# Altium PCB ConvertionBoard.PcbDoc
Units mm, origin at the board's own origin, x right, y up, seen from the top; angles counter-clockwise.
Board outline 112 x 69.94 mm, 2 copper layers (Top Layer, Bottom Layer); 29 components, 73 nets, 487 pads, 13 vias.
Unrouted connection lines stored in the file: 133.
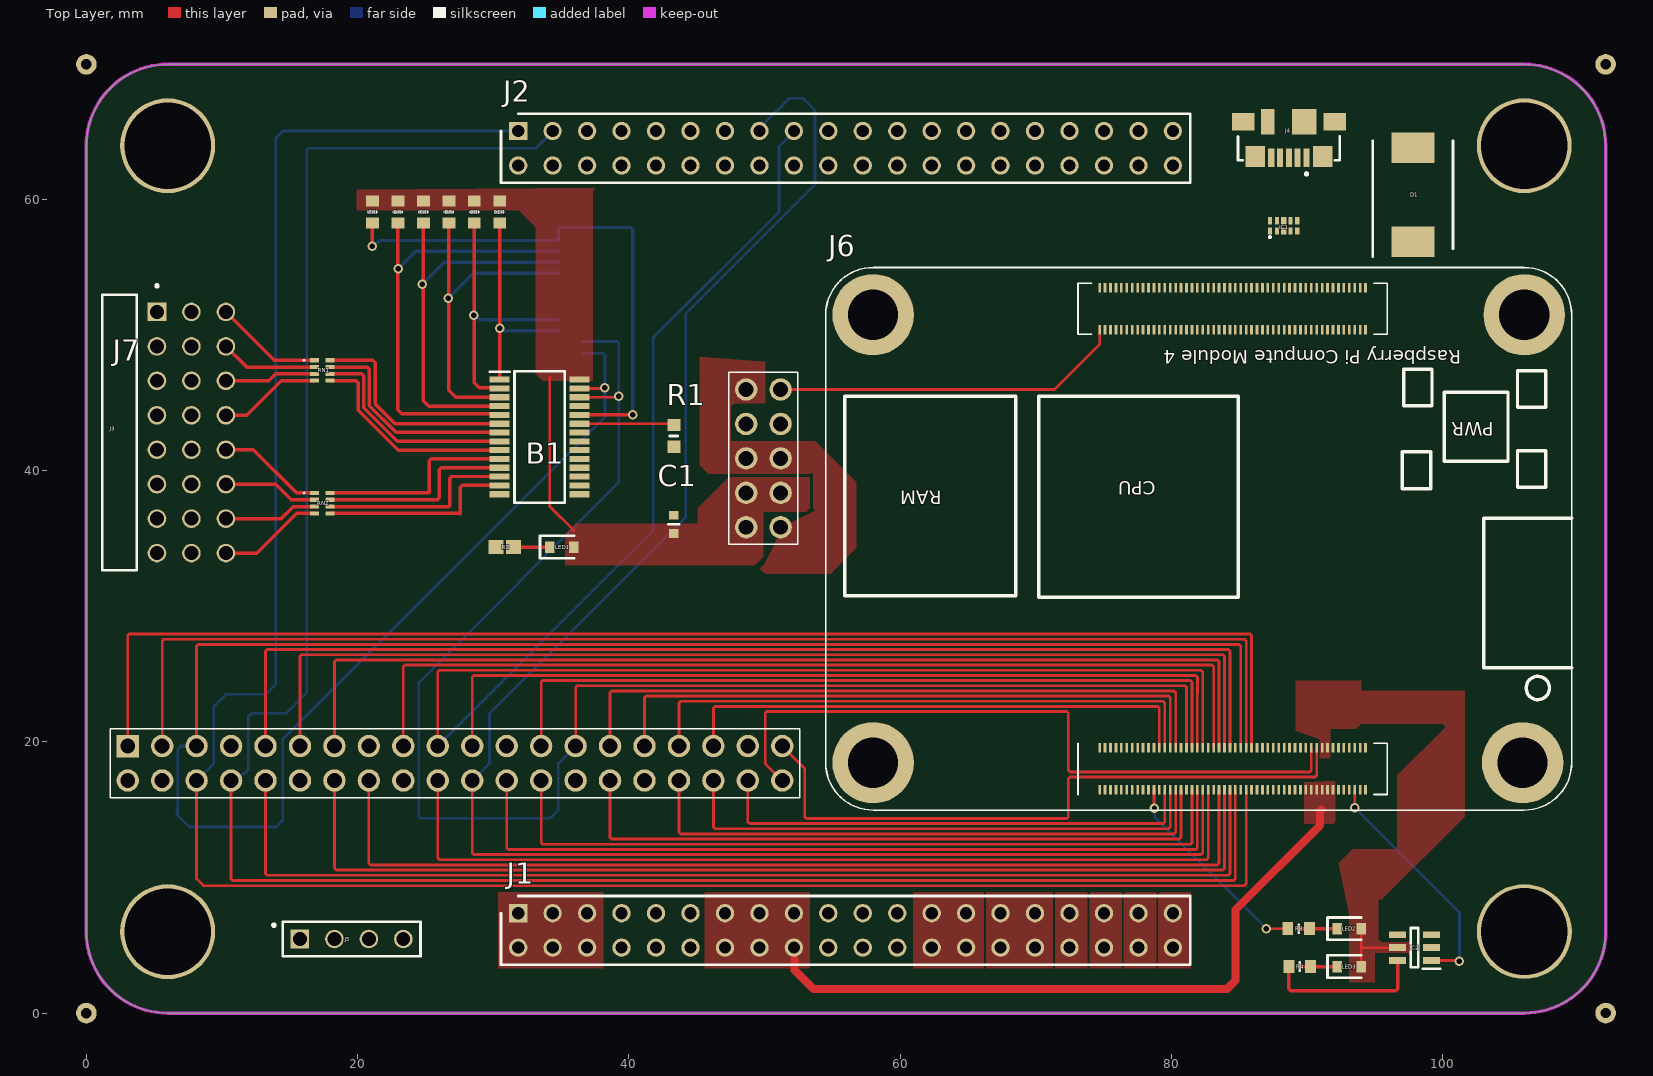
[diagram p0: Top Layer view]
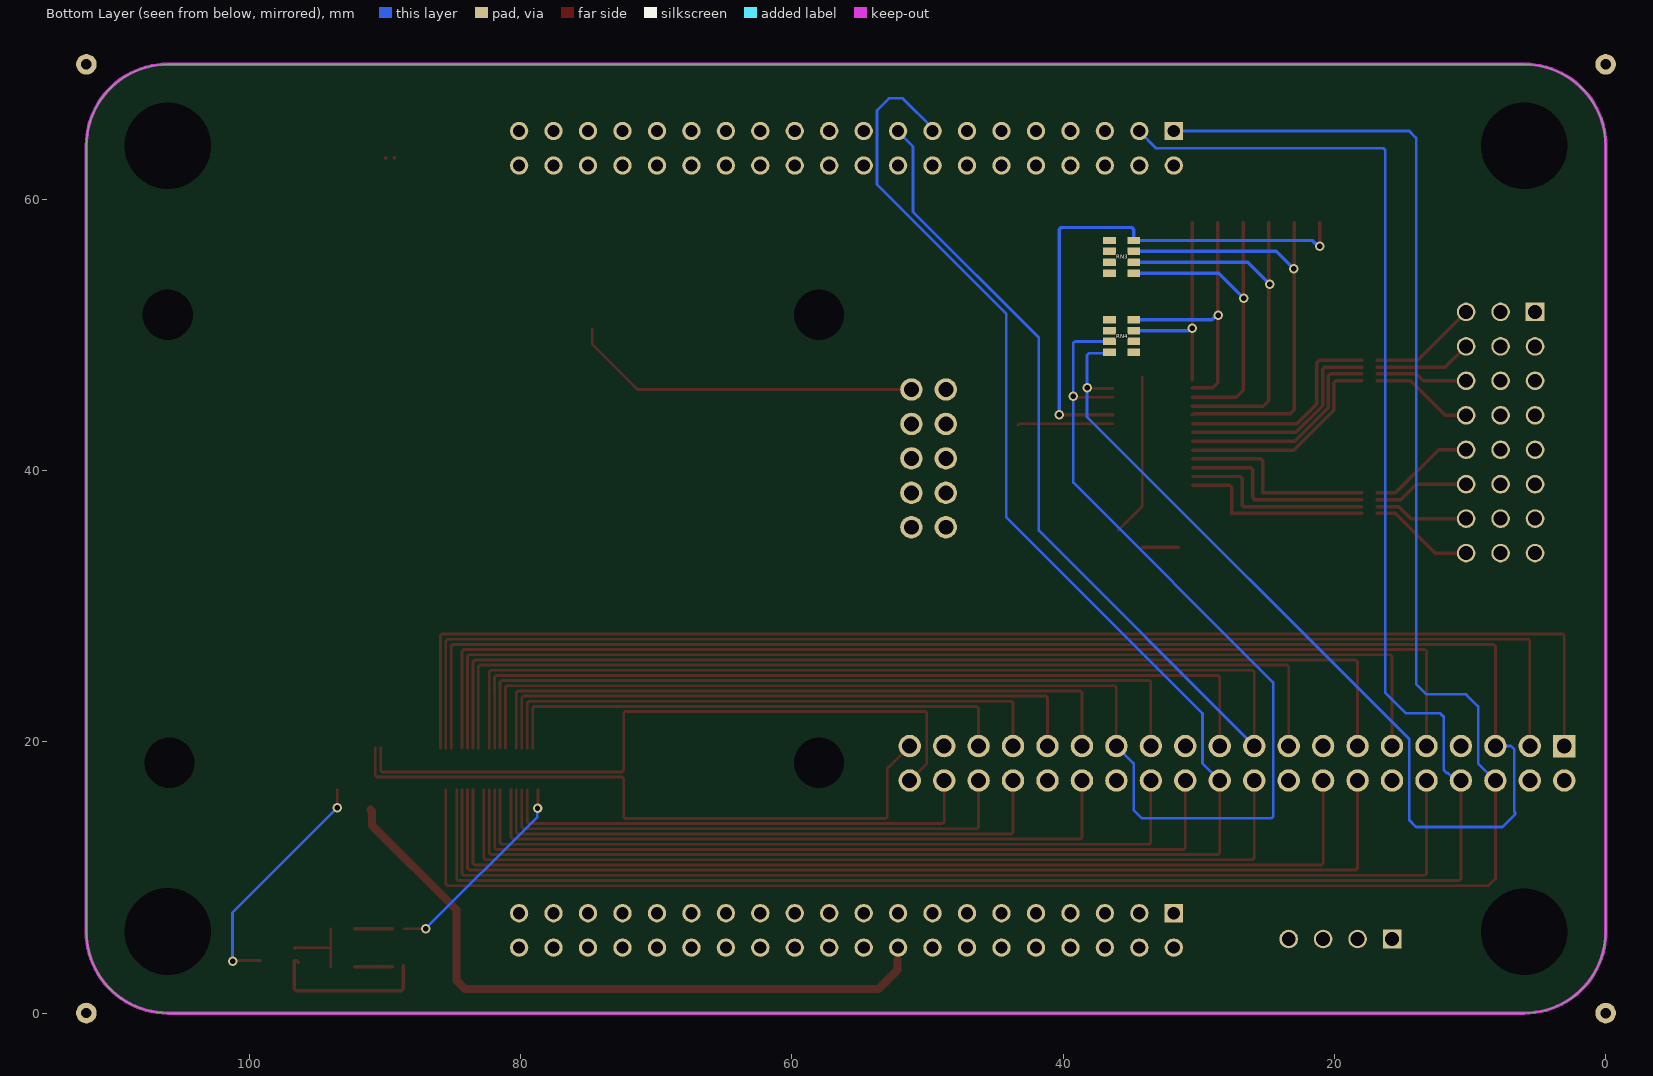
[diagram p1: Bottom Layer view, seen from below]

## Layer stack, top to bottom
Top Solder: solder mask 0.0102, Solder Resist, Dk 3.5
Top Layer: signal copper 0.0356
Dielectric 1: dielectric 0.32, FR-4, Dk 4.8
Bottom Layer: signal copper 0.0356
Bottom Solder: solder mask 0.0102, Solder Resist, Dk 3.5

## Board outline
0,6 0,63.94 cw(c6,63.94) 6,69.94 105.998,69.94 cw(c105.998,63.94) 111.998,63.94 111.998,6.009 112.001,6.006 cw(c106.001,6.006) 106.001,0.006 105.995,0 6,0 cw(c6,6)

## Design rules (kind name [scope] priority, off if disabled: settings)
Clearance Clearance_1 [InNetClass('CM4')] p1: gap=0 ignorepadtopadclearanceinfootprint=FALSE
Clearance [All] p2: gap=0.152 ignorepadtopadclearanceinfootprint=FALSE
PlaneConnect [All] p1: planeconnectstyle=Direct reliefexpansion=0.508 reliefentries=4 reliefconductorwidth=0.254 reliefairgap=0.254
PolygonConnect [All] p1: connectstyle=Direct reliefconductorwidth=0.254 reliefentries=4 polygonreliefangle="90 Angle" airgapwidth=0.254
RoutingVias [All] p1: holewidth=0.711 width=1.27 viastyle="Through Hole" minholewidth=0.711 minwidth=1.27 maxholewidth=0.711 maxwidth=1.27
SolderMaskExpansion [All] p1: expansion=0.102 istentingtop=FALSE
Width GND [InNetClass('GND')] p1: maxlimit=0.2 minlimit=0.2 preferedwidth=0.2
Width CM4 [InNetClass('CM4')] p2: maxlimit=0.2 minlimit=0.2 preferedwidth=0.2 minimp=50.000000 maximp=50.000000 favimp=50.000000
Width [All] p3: maxlimit=0.254 minlimit=0.254 preferedwidth=0.254
29 further rules are at their usual default settings.

## Classes and differential pairs
net class "ALL without GND": +3.3V "+3.3V(from CM4)" +5V +12V A0 A1 A2 A3 A4 A5 EXT1_VCC EXT2_VCC GPIO0 GPIO1 GPIO2 GPIO3 GPIO4 GPIO5 GPIO6 GPIO7 GPIO8 GPIO9 GPIO10 GPIO11 GPIO12 GPIO13 GPIO14 GPIO15 GPIO16 GPIO17 GPIO18 GPIO19 GPIO20 GPIO21 GPIO22 GPIO23 GPIO24 GPIO25 GPIO26 GPIO27 GPIO44 GPIO45 NetB1_23 NetD1_2 NetIC1_2 NetIC1_5 NetIC2_6 NetJ3_01 NetJ3_04 NetJ3_07 NetJ3_10 NetJ3_13 NetJ3_16 NetJ3_19 NetJ3_22 NetLED1_1 NetLED2_1 NetLED3_1 PI_LED_nPWR Pi_nLED_Activity PWM0 PWM1 PWM2 PWM3 PWM4 PWM5 PWM6 PWM7 SRV_8.4V USB_N USB_OTG_ID USB_P
net class CM4: "+3.3V(from CM4)" +5V GPIO0 GPIO1 GPIO2 GPIO3 GPIO4 GPIO5 GPIO6 GPIO7 GPIO8 GPIO9 GPIO10 GPIO11 GPIO12 GPIO13 GPIO14 GPIO15 GPIO16 GPIO17 GPIO18 GPIO19 GPIO20 GPIO21 GPIO22 GPIO23 GPIO24 GPIO25 GPIO26 GPIO27 GPIO44 GPIO45 NetB1_23 PI_LED_nPWR Pi_nLED_Activity USB_N USB_OTG_ID USB_P
net class CM4(down): GPIO1 GPIO7 GPIO8 GPIO12 GPIO14 GPIO15 GPIO16 GPIO18 GPIO20 GPIO21 GPIO23 GPIO24 GPIO25 GPIO45
net class CM4(up): GPIO0 GPIO2 GPIO3 GPIO4 GPIO5 GPIO6 GPIO9 GPIO10 GPIO11 GPIO13 GPIO17 GPIO19 GPIO22 GPIO26 GPIO27 GPIO44

## Components (designator, comment, footprint, x,y, rotation, side; value= is the part's Value field where it differs from the comment)
B1 "PCA9685" PCA9685 33.411,42.473 r0 top
C1 "GRM188R61E106KA73D" GRM18x 43.307,36.028 r90 top value=10u
D1 "MBRS410LT3G" DIOM8059X261N 97.79,60.325 r90 top
IC1 "TPD4EUSB30DQAR" DQA(R-PUSON-N10) 88.265,58.039 r0 top
IC2 "74HC2G34GV,125" SOT95P275X110-6N 97.917,4.826 r180 top
J1 "90151-2140" RHDR40W70P254_2X20_5065X498X870P 31.837,7.366 r0 top locked
J2 "90151-2140" RHDR40W70P254_2X20_5065X498X870P 31.837,65.024 r0 top
J3 "MTSW-109-22-T-T-330-LA" SAMTEC_MTSW-109-22-T-T-330-LA 7.747,42.799 r270 top
J4 "MUYF-051T-4BH81" 473460001 88.646,65.024 r180 top
J5 "Component_1" Component_1 19.558,5.461 r0 top
J6 "Compute Module 4(IO)" CM4-F40C-100DS-0.4v_1.5mm_0mm 82,34.965 r270 top locked
J7 "61301221021" "61301221021 - output" 1.778,15.875 r0 top locked
LED1 "SML-D12Y1WT86" LEDC1608X55N 35.045,34.357 r0 top
LED2 "SML-D12EN1WT86" LEDC1608X55N 93.091,6.223 r0 top
LED3 "SML-D12V8WT86" LEDC1608X55N 93.091,3.429 r0 top
R1 "0603WAJ0103T5E" RESC1608X55N_10K 43.307,42.545 r270 top value=10K
R2 "RC0603FR-07150RL" RESC1608X55N_150 30.854,34.357 r180 top
R3 "SR0603JR-071KL" RESC1608X55N_0 89.37,6.223 r0 top
R4 "SR0603JR-071KL" RESC1608X55N_0 89.446,3.429 r0 top
R5 "RC0603JR-070RL" RESC1608X55N_0 21.082,59.055 r270 top
R6 "RC0603JR-070RL" RESC1608X55N_0 22.962,59.055 r270 top
R7 "RC0603JR-070RL" RESC1608X55N_0 24.841,59.055 r270 top
R8 "RC0603JR-070RL" RESC1608X55N_0 26.721,59.055 r270 top
R9 "RC0603JR-070RL" RESC1608X55N_0 28.6,59.055 r270 top
R10 "RC0603JR-070RL" RESC1608X55N_0 30.48,59.055 r270 top
RN1 "YC124-JR-07220RL" YC124JR07220RL 17.399,47.375 r270 top
RN2 "YC124-JR-07220RL" YC124JR07220RL 17.399,37.592 r270 top
RN3 "CAY16-1002F4LF" CAY-16-F4 35.687,55.753 r180 bottom
RN4 "CAY16-1002F4LF" CAY-16-F4 35.687,49.911 r180 bottom

## Footprints (in the part's own frame and the unit in brackets; to place one, negate y for a bottom-side part, rotate by r counter-clockwise, add the part's x,y. Pads: shape width x height; smd on the part's side, far side on the other; paste and mask are expansions set on the pad)
473460001 [mm]
  rect 0.45x1.38 smd: 1(-1.3,1.975) 2(-0.65,1.975) 3(0,1.975) 4(0.65,1.975) 5(1.3,1.975)
  rect 1.425x1.55 smd: 6(2.487,1.89) 7(-2.487,1.89)
  rect 1.8x1.9 smd: 8(-1.15,-0.685)
  rect 1x1.9 smd: 9(1.55,-0.685)
  rect 1.65x1.3 smd: 10(-3.375,-0.685) 11(3.375,-0.685)
  silkscreen extent -3.75,0.4 3.75,3.26, body extent -3.99,-3.26 3.99,2.17, height 2.72
"61301221021 - output" [mm]
  round 1.65 hole 1.1: 1(49.403,19.942) 2(46.863,19.942) 4(1.273,1.27) 5(3.813,3.81) 6(3.813,1.27) 7(6.353,3.81) 8(6.353,1.27) 9(8.893,3.81) 10(8.893,1.27) 11(11.433,3.81) 12(11.433,1.27) 13(13.97,3.81) 14(13.97,1.27) 15(16.51,3.81) 16(16.51,1.27) 17(19.05,3.81) 18(19.05,1.27) 19(21.59,3.81) 20(21.59,1.27) 21(24.13,3.81) 22(24.13,1.27) 23(26.67,3.81) 24(26.67,1.27) 25(29.21,3.81) 26(29.21,1.27) 27(31.75,3.81) 28(31.75,1.27) 29(34.29,3.81) 30(34.29,1.27) 31(36.83,3.81) 32(36.83,1.27) 33(39.37,3.81) 34(39.37,1.27) 35(41.91,3.81) 36(41.91,1.27) 37(44.447,3.81) 38(44.447,1.27) 39(46.987,3.81) 40(46.987,1.27) 41(49.527,3.81) 42(49.527,1.27) 43(49.403,22.476) 44(46.863,22.476) 45(49.403,25.016) 46(46.863,25.016) 47(49.403,27.556) 48(46.863,27.556) 49(49.403,30.096) 50(46.863,30.096)
  rect 1.65x1.65 hole 1.1: 3(1.273,3.81)
  silkscreen extent 0,0 50.8,31.37, body extent 0,0 50.8,31.37, height 13.46
CAY-16-F4 [mm]
  rect 0.95x0.55 smd: 1(-0.9,-1.2) 2(-0.9,-0.4) 3(-0.9,0.4) 4(-0.9,1.2) 5(0.9,-1.2) 6(0.9,-0.4) 7(0.9,0.4) 8(0.9,1.2)
CM4-F40C-100DS-0.4v_1.5mm_0mm [mm] "DF40C-100DS-0.4v by Amornthep Phunsin"
  round 6 / inner round 0 / far side round 0 hole 3.7 unplated: 1(-16.51,24.003) 1(-16.51,-24.003) 1(16.51,23.876) 1(16.51,-24.003)
  rect 0.7x0.2 smd: 1(18.5,-7.3) 2(15.42,-7.3) 3(18.5,-6.9) 4(15.42,-6.9) 5(18.5,-6.5) 6(15.42,-6.5) 7(18.5,-6.1) 8(15.42,-6.1) 9(18.5,-5.7) 10(15.42,-5.7) 11(18.5,-5.3) 12(15.42,-5.3) 13(18.5,-4.9) 14(15.42,-4.9) 15(18.5,-4.5) 16(15.42,-4.5) 17(18.5,-4.1) 18(15.42,-4.1) 19(18.5,-3.7) 20(15.42,-3.7) 21(18.5,-3.3) 22(15.42,-3.3) 23(18.5,-2.9) 24(15.42,-2.9) 25(18.5,-2.5) 26(15.42,-2.5) 27(18.5,-2.1) 28(15.42,-2.1) 29(18.5,-1.7) 30(15.42,-1.7) 31(18.5,-1.3) 32(15.42,-1.3) 33(18.5,-0.9) 34(15.42,-0.9) 35(18.5,-0.5) 36(15.42,-0.5) 37(18.5,-0.1) 38(15.42,-0.1) 39(18.5,0.3) 40(15.42,0.3) 41(18.5,0.7) 42(15.42,0.7) 43(18.5,1.1) 44(15.42,1.1) 45(18.5,1.5) 46(15.42,1.5) 47(18.5,1.9) 48(15.42,1.9) 49(18.5,2.3) 50(15.42,2.3) 51(18.5,2.7) 52(15.42,2.7) 53(18.5,3.1) 54(15.42,3.1) 55(18.5,3.5) 56(15.42,3.5) 57(18.5,3.9) 58(15.42,3.9) 59(18.5,4.3) 60(15.42,4.3) 61(18.5,4.7) 62(15.42,4.7) 63(18.5,5.1) 64(15.42,5.1) 65(18.5,5.5) 66(15.42,5.5) 67(18.5,5.9) 68(15.42,5.9) 69(18.5,6.3) 70(15.42,6.3) 71(18.5,6.7) 72(15.42,6.7) 73(18.5,7.1) 74(15.42,7.1) 75(18.5,7.5) 76(15.42,7.5) 77(18.5,7.9) 78(15.42,7.9) 79(18.5,8.3) 80(15.42,8.3) 81(18.5,8.7) 82(15.42,8.7) 83(18.5,9.1) 84(15.42,9.1) 85(18.5,9.5) 86(15.42,9.5) 87(18.5,9.9) 88(15.42,9.9) 89(18.5,10.3) 90(15.42,10.3) 91(18.5,10.7) 92(15.42,10.7) 93(18.5,11.1) 94(15.42,11.1) 95(18.5,11.5) 96(15.42,11.5) 97(18.5,11.9) 98(15.42,11.9) 99(18.5,12.3) 100(15.42,12.3) 101(-15.42,-7.3) 102(-18.5,-7.3) 103(-15.42,-6.9) 104(-18.5,-6.9) 105(-15.42,-6.5) 106(-18.5,-6.5) 107(-15.42,-6.1) 108(-18.5,-6.1) 109(-15.42,-5.7) 110(-18.5,-5.7) 111(-15.42,-5.3) 112(-18.5,-5.3) 113(-15.42,-4.9) 114(-18.5,-4.9) 115(-15.42,-4.5) 116(-18.5,-4.5) 117(-15.42,-4.1) 118(-18.5,-4.1) 119(-15.42,-3.7) 120(-18.5,-3.7) 121(-15.42,-3.3) 122(-18.5,-3.3) 123(-15.42,-2.9) 124(-18.5,-2.9) 125(-15.42,-2.5) 126(-18.5,-2.5) 127(-15.42,-2.1) 128(-18.5,-2.1) 129(-15.42,-1.7) 130(-18.5,-1.7) 131(-15.42,-1.3) 132(-18.5,-1.3) 133(-15.42,-0.9) 134(-18.5,-0.9) 135(-15.42,-0.5) 136(-18.5,-0.5) 137(-15.42,-0.1) 138(-18.5,-0.1) 139(-15.42,0.3) 140(-18.5,0.3) 141(-15.42,0.7) 142(-18.5,0.7) 143(-15.42,1.1) 144(-18.5,1.1) 145(-15.42,1.5) 146(-18.5,1.5) 147(-15.42,1.9) 148(-18.5,1.9) 149(-15.42,2.3) 150(-18.5,2.3) 151(-15.42,2.7) 152(-18.5,2.7) 153(-15.42,3.1) 154(-18.5,3.1) 155(-15.42,3.5) 156(-18.5,3.5) 157(-15.42,3.9) 158(-18.5,3.9) 159(-15.42,4.3) 160(-18.5,4.3) 161(-15.42,4.7) 162(-18.5,4.7) 163(-15.42,5.1) 164(-18.5,5.1) 165(-15.42,5.5) 166(-18.5,5.5) 167(-15.42,5.9) 168(-18.5,5.9) 169(-15.42,6.3) 170(-18.5,6.3) 171(-15.42,6.7) 172(-18.5,6.7) 173(-15.42,7.1) 174(-18.5,7.1) 175(-15.42,7.5) 176(-18.5,7.5) 177(-15.42,7.9) 178(-18.5,7.9) 179(-15.42,8.3) 180(-18.5,8.3) 181(-15.42,8.7) 182(-18.5,8.7) 183(-15.42,9.1) 184(-18.5,9.1) 185(-15.42,9.5) 186(-18.5,9.5) 187(-15.42,9.9) 188(-18.5,9.9) 189(-15.42,10.3) 190(-18.5,10.3) 191(-15.42,10.7) 192(-18.5,10.7) 193(-15.42,11.1) 194(-18.5,11.1) 195(-15.42,11.5) 196(-18.5,11.5) 197(-15.42,11.9) 198(-18.5,11.9) 199(-15.42,12.3) 200(-18.5,12.3)
  silkscreen extent -20,-27.5 20,27.5, body extent -20,-27.5 20,27.5, height 5.16
Component_1 [mm]
  rect 1.37x1.37 / inner round 1.37 / far side rect 1.37x1.37 hole 1.02: 1(-3.81,0)
  round 1.37 hole 1.02: 2(-1.27,0) 3(1.27,0) 4(3.81,0)
  silkscreen extent -5.83,-1.27 5.08,1.27, body extent -5.08,-1.27 5.08,1.27, height 10.92
DIOM8059X261N [mm]
  rect 2.25x3.15 smd: 1(-3.45,0) 2(3.45,0)
  silkscreen extent -4.57,-2.95 3.98,2.95, body extent -3.98,-2.95 3.98,2.95, height 2.61
DQA(R-PUSON-N10) [mm]
  rect 0.3x0.55 smd: 1(-1,-0.385) 2(-0.5,-0.385) 4(0.5,-0.385) 5(1,-0.385) 6(1,0.385) 7(0.5,0.385) 9(-0.5,0.385) 10(-1,0.385)
  rect 0.4x0.55 smd: 3(0,-0.385) 8(0,0.385)
  silkscreen extent -1.03,-0.86 -0.99,-0.82, body extent -1.25,-0.5 1.25,0.5, height 0.55
GRM18x [mm]
  rect 0.65x0.7 smd: 1(-0.675,0) 2(0.675,0)
  silkscreen extent 0,-0.4 0,0.4, body extent -0.8,-0.45 0.8,0.45, height 0.8
LEDC1608X55N [mm]
  rect 0.7x0.85 smd: 1(-0.889,0) 2(0.889,0)
  silkscreen extent -1.6,-0.82 0.9,0.82, body extent -0.8,-0.4 0.8,0.4, height 0.55
PCA9685 [mm]
  rect 1.475x0.45 smd: 1(-2.938,4.225) 2(-2.938,3.575) 3(-2.938,2.925) 4(-2.938,2.275) 5(-2.938,1.625) 6(-2.938,0.975) 7(-2.938,0.325) 8(-2.938,-0.325) 9(-2.938,-0.975) 10(-2.938,-1.625) 11(-2.938,-2.275) 12(-2.938,-2.925) 13(-2.938,-3.575) 14(-2.938,-4.225) 15(2.938,-4.225) 16(2.938,-3.575) 17(2.938,-2.925) 18(2.938,-2.275) 19(2.938,-1.625) 20(2.938,-0.975) 21(2.938,-0.325) 22(2.938,0.325) 23(2.938,0.975) 24(2.938,1.625) 25(2.938,2.275) 26(2.938,2.925) 27(2.938,3.575) 28(2.938,4.225)
  silkscreen extent -3.67,-4.85 1.85,4.85
RESC1608X55N_0 [mm]
  rect 0.8x0.95 smd: 1(-0.8,0) 2(0.8,0)
  silkscreen extent 0,-0.3 0,0.3, body extent -0.8,-0.4 0.8,0.4, height 0.55
RESC1608X55N_10K [mm]
  rect 0.9x0.95 smd: 1(-0.8,0) 2(0.8,0)
  silkscreen extent 0,-0.3 0,0.3, body extent -0.8,-0.4 0.8,0.4, height 0.55
RESC1608X55N_150 [mm]
  rect 1.1x1 smd: 1(-0.65,0) 2(0.65,0)
  body extent -0.8,-0.4 0.8,0.4, height 0.55
RHDR40W70P254_2X20_5065X498X870P [mm]
  rect 1.35x1.35 / inner round 1.35 / far side rect 1.35x1.35 hole 0.9: 1(0,0)
  round 1.35 hole 0.9: 2(0,-2.54) 3(2.54,0) 4(2.54,-2.54) 5(5.08,0) 6(5.08,-2.54) 7(7.62,0) 8(7.62,-2.54) 9(10.16,0) 10(10.16,-2.54) 11(12.7,0) 12(12.7,-2.54) 13(15.24,0) 14(15.24,-2.54) 15(17.78,0) 16(17.78,-2.54) 17(20.32,0) 18(20.32,-2.54) 19(22.86,0) 20(22.86,-2.54) 21(25.4,0) 22(25.4,-2.54) 23(27.94,0) 24(27.94,-2.54) 25(30.48,0) 26(30.48,-2.54) 27(33.02,0) 28(33.02,-2.54) 29(35.56,0) 30(35.56,-2.54) 31(38.1,0) 32(38.1,-2.54) 33(40.64,0) 34(40.64,-2.54) 35(43.18,0) 36(43.18,-2.54) 37(45.72,0) 38(45.72,-2.54) 39(48.26,0) 40(48.26,-2.54)
  silkscreen extent -1.27,-3.81 49.53,1.27
SAMTEC_MTSW-109-22-T-T-330-LA [mm]
  round 1.37 hole 1.02: 01(-8.89,2.54) 02(-8.89,0) 04(-6.35,2.54) 05(-6.35,0) 06(-6.35,-2.54) 07(-3.81,2.54) 08(-3.81,0) 09(-3.81,-2.54) 10(-1.27,2.54) 11(-1.27,0) 12(-1.27,-2.54) 13(1.27,2.54) 14(1.27,0) 15(1.27,-2.54) 16(3.81,2.54) 17(3.81,0) 18(3.81,-2.54) 19(6.35,2.54) 20(6.35,0) 21(6.35,-2.54) 22(8.89,2.54) 23(8.89,0) 24(8.89,-2.54)
  rect 1.37x1.37 / inner round 1.37 / far side rect 1.37x1.37 hole 1.02: 03(-8.89,-2.54)
  silkscreen extent -10.91,-6.58 10.16,-2.44, body extent -10.16,-15.05 10.16,2.79, height 1.8
SOT95P275X110-6N [mm]
  rect 1.25x0.5 smd: 1(-1.25,0.95) 2(-1.25,0) 3(-1.25,-0.95) 4(1.25,-0.95) 5(1.25,0) 6(1.25,0.95)
  silkscreen extent -1.88,-1.45 0.28,1.55, body extent -1.38,-1.48 1.37,1.47, height 1.01
YC124JR07220RL [mm]
  rect 0.3x0.65 smd: 1(-0.75,-0.575) 2(-0.25,-0.575) 3(0.25,-0.575) 4(0.75,-0.575) 5(0.75,0.575) 6(0.25,0.575) 7(-0.25,0.575) 8(-0.75,0.575)
  silkscreen extent -0.8,-1.4 -0.7,-1.3, body extent -1,-0.5 1,0.5, height 0.38

## Part data
B1: "PCA9685PW/Q900,118", Manufacturer_Name=NXP, Mouser Part Number=771-PCA9685PWQ900118, Datasheet Link=http://www.nxp.com/docs/en/data-sheet/PCA9685.pdf, Geometry.Height=1.1mm, Manufacturer_Part_Number=PCA9685PW/Q900,118, Mouser Price/Stock=https://www.mouser.co.uk/ProductDetail/NXP-Semiconductors/PCA9685PW-Q900118?qs=MWRe%252BjyhxRtZfKNN86P1Tg%3D%3D
C1: "10% 10uF Capacitor", Manufacturer_Name="Murata Electronics", Mouser Part Number=81-GRM188R61E106KA3D, Arrow Part Number=GRM188R61E106KA73D, Arrow Price/Stock=https://www.arrow.com/en/products/grm188r61e106ka73d/murata-manufacturing?region=nac, Datasheet Link=https://search.murata.co.jp/Ceramy/image/img/A01X/G101/ENG/GRM188R61E106KA73-01A.pdf, Height=0.8mm, Manufacturer_Part_Number=GRM188R61E106KA73D, Mouser Price/Stock=https://www.mouser.co.uk/ProductDetail/Murata-Electronics/GRM188R61E106KA73D?qs=5aG0NVq1C4z8ebxPkQZf9A%3D%3D
D1: "Schottky Diode", Manufacturer_Name=onsemi, Mouser Part Number=863-MBRS410LT3G, Arrow Part Number=MBRS410LT3G, Arrow Price/Stock=https://www.arrow.com/en/products/mbrs410lt3g/on-semiconductor?region=nac, Datasheet Link=https://www.onsemi.com/download/data-sheet/pdf/mbrs410lt3-d.pdf, Height=2.61mm, Manufacturer_Part_Number=MBRS410LT3G, Mouser Price/Stock=https://www.mouser.co.uk/ProductDetail/onsemi/MBRS410LT3G?qs=3JMERSakebpTz7AxvU6YQw%3D%3D
IC1: "Integrated Circuit", Manufacturer_Name="Texas Instruments", Mouser Part Number=595-TPD4EUSB30DQAR, Arrow Part Number=TPD4EUSB30DQAR, Arrow Price/Stock=https://www.arrow.com/en/products/tpd4eusb30dqar/texas-instruments?region=nac, Datasheet Link=http://www.ti.com/lit/gpn/tpd4eusb30, Manufacturer_Part_Number=TPD4EUSB30DQAR, Mouser Price/Stock=https://www.mouser.co.uk/ProductDetail/Texas-Instruments/TPD4EUSB30DQAR?qs=Ze4%2FuFuz19JpY4uqYOLMbQ%3D%3D
IC2: "Integrated Circuit", Manufacturer_Name=Nexperia, Mouser Part Number=771-HC2G34GV125, Arrow Part Number=74HC2G34GV,125, Arrow Price/Stock=https://www.arrow.com/en/products/74hc2g34gv125/nexperia?region=nac, Datasheet Link=https://assets.nexperia.com/documents/data-sheet/74HC_HCT2G34.pdf, Height=1.1mm, Manufacturer_Part_Number=74HC2G34GV,125, Mouser Price/Stock=https://www.mouser.co.uk/ProductDetail/Nexperia/74HC2G34GV125?qs=P62ublwmbi9zqrfuyyEMgg%3D%3D
J1 J2: "Headers", Manufacturer_Name=Molex, Mouser Part Number=538-90151-2140, Datasheet Link=https://componentsearchengine.com/Datasheets/1/90151-2140.pdf, Geometry.Height=8.7mm, Manufacturer_Part_Number=90151-2140, Mouser Price/Stock=https://www.mouser.co.uk/ProductDetail/Molex/90151-2140?qs=WjPO6T6WDwtb8fg%2FDgSCUQ%3D%3D
J3: "PWM model pin", Package=None, Availability=Unavailable, MF=Samtec, MP=MTSW-109-22-T-T-330-LA, Price=None
J4: "Micro USB", Manufacturer_Name=Molex, Manufacturer_Part_Number=47346-0001, Mouser Part Number=538-47346-0001, Datasheet Link=http://www.molex.com/pdm_docs/sd/473460001_sd.pdf, Height=2.68mm, Mouser Price/Stock=https://www.mouser.co.uk/ProductDetail/Molex/47346-0001?qs=c2CV6XM0DweJBWaSeyWeCw%3D%3D
J5: "Altimeter pin"
J6: library part CM4_ALL
J7: "IO broad pin", Manufacturer_Name="Wurth Elektronik", Mouser Part Number=710-61301221021, Datasheet Link=https://katalog.we-online.de/em/datasheet/6130xx21021.pdf, Height=5.23mm, Manufacturer_Part_Number=61301221021, Mouser Price/Stock=https://www.mouser.co.uk/ProductDetail/Wurth-Elektronik/61301221021?qs=PhR8RmCirEb%252B3uaPvVz5Gg%3D%3D
LED1: "Yellow LED (connect with 150ohm)", Manufacturer_Name="ROHM Semiconductor", Mouser Part Number=755-SML-D12Y1WT86, Datasheet Link=https://componentsearchengine.com/Datasheets/1/SML-D12Y1WT86.pdf, Height=0.55mm, Manufacturer_Part_Number=SML-D12Y1WT86, Mouser Price/Stock=https://www.mouser.co.uk/ProductDetail/ROHM-Semiconductor/SML-D12Y1WT86?qs=M3jcYzEJUdG%2FAKvzZK%252Bz7w%3D%3D
LED2: "Green LED (connect with 1Kohm)", Manufacturer_Name="ROHM Semiconductor", Manufacturer_Part_Number=SMLD12EN1WT86, Mouser Part Number=755-SMLD12EN1WT86, Datasheet Link=https://datasheet.datasheetarchive.com/originals/distributors/Datasheets_SAMA/8f824a900f8c9a143b1c3640e6aee7b7.pdf, Height=0.65mm, Mouser Price/Stock=https://www.mouser.co.uk/ProductDetail/ROHM-Semiconductor/SMLD12EN1WT86?qs=qSfuJ%252Bfl%2Fd4fR%252B9yZydIwg%3D%3D
LED3: "Red LED (connect with 1Kohm)", Manufacturer_Name="ROHM Semiconductor", Mouser Part Number=755-SML-D12V8WT86, Arrow Part Number=SML-D12V8WT86, Arrow Price/Stock=https://www.arrow.com/en/products/sml-d12v8wt86/rohm-semiconductor, Datasheet Link=https://www.rohm.com/datasheet?p=SML-D12V8W&dist=Digi-key&media=referral&source=digi-key.com&campaign=Digi-key, Height=0.65mm, Manufacturer_Part_Number=SML-D12V8WT86, Mouser Price/Stock=https://www.mouser.co.uk/ProductDetail/ROHM-Semiconductor/SML-D12V8WT86?qs=4kLU8WoGk0uh2PhEoCCv1w%3D%3D
R1: "5% 10K Resistor", Manufacturer_Name=ROYALOHM, Mouser Part Number=303-0603WAJ0103T5E, Datasheet Link=https://eu.mouser.com/datasheet/2/1365/1-3044649.pdf, Height=0.55mm, Manufacturer_Part_Number=0603WAJ0103T5E, Mouser Price/Stock=https://www.mouser.co.uk/ProductDetail/Royalohm/0603WAJ0103T5E?qs=e8oIoAS2J1RbD%2Fl9RKhEzg%3D%3D
R2: "1% 150 Resistor", Manufacturer_Name=KEMET, Mouser Part Number=603-RC0603FR-07150RL, Arrow Part Number=RC0603FR-07150RL, Arrow Price/Stock=https://www.arrow.com/en/products/rc0603fr-07150rl/yageo?region=europe, Datasheet Link=http://www.yageo.com/documents/recent/PYu-RC0603_51_RoHS_L_v5.pdf, Height=0.55mm, Manufacturer_Part_Number=RC0603FR-07150RL, Mouser Price/Stock=https://www.mouser.co.uk/ProductDetail/YAGEO/RC0603FR-07150RL?qs=NiiRlmYYPUWAQinXJi92kg%3D%3D
R3 R4: "5% 1K Resistor", Arrow Part Number=RC0603JR-070RL, Manufacturer_Name=YAGEO, Mouser Part Number=603-RC0603JR-070RL, Arrow Price/Stock=https://www.arrow.com/en/products/rc0603jr-070rl/yageo?utm_currency=USD&region=nac, Datasheet Link=https://componentsearchengine.com/Datasheets/2/RC0603JR-070RL.pdf, Height=0.55mm, Manufacturer_Part_Number=RC0603JR-070RL, Mouser Price/Stock=https://www.mouser.co.uk/ProductDetail/YAGEO/RC0603JR-070RL?qs=2cAdsCoAWRGWyPcuXgGiXQ%3D%3D
R5 R6 R7 R8 R9 R10: "5% 0 Resistor", Manufacturer_Name=YAGEO, Mouser Part Number=603-RC0603JR-070RL, Arrow Part Number=RC0603JR-070RL, Arrow Price/Stock=https://www.arrow.com/en/products/rc0603jr-070rl/yageo?utm_currency=USD&region=nac, Datasheet Link=https://componentsearchengine.com/Datasheets/2/RC0603JR-070RL.pdf, Height=0.55mm, Manufacturer_Part_Number=RC0603JR-070RL, Mouser Price/Stock=https://www.mouser.co.uk/ProductDetail/YAGEO/RC0603JR-070RL?qs=2cAdsCoAWRGWyPcuXgGiXQ%3D%3D
RN1 RN2: "5％ 220 Resistor Network", Manufacturer_Name=YAGEO, Datasheet Link=https://www.yageo.com/upload/media/product/productsearch/datasheet/rchip/PYu-YC_TC_group_51_RoHS_L_9.pdf, Height=0.55mm, Manufacturer_Part_Number=YC124-JR-07220RL
RN3 RN4: "1% 10K Resistor Network(lab have)", Manufacturer_Name=Bourns, Mouser Part Number=652-CAY16-1002F4LF, Arrow Part Number=CAY16-1002F4LF, Arrow Price/Stock=https://www.arrow.com/en/products/cay16-1002f4lf/bourns?region=nac, Datasheet Link=http://uk.rs-online.com/web/p/products/7408767, Manufacturer_Part_Number=CAY16-1002F4LF, Mouser Price/Stock=https://www.mouser.co.uk/ProductDetail/Bourns/CAY16-1002F4LF?qs=wmwo6QmEuAgjwXvnc%2FYHSA%3D%3D

## Free pads (board coordinates)
  round 1.524 hole 0.762: 3(0,0) 3(0,69.94) 3(111.998,69.94) 3(112.001,0.006)
  round 7 / inner round 3.2 / far side round 3.2 hole 6.4: 4(6,6) 4(6,63.94) 4(105.998,63.94) 4(106.001,6.006)

## Via types
v1: diameter 0.7/0.7 (per signal layer), hole 0.4, Top Layer to Bottom Layer, 13 vias

## Nets (pads, with @x,y where several pads share a name; then routed paths per layer and width w, separated by ;. In a path a pad name is that pad's centre, name@x,y a point inside that pad or via, vN(x,y) a via of type N, cw(c..) or ccw(c..) an arc to the next point about the centre after c; other vN are vias at no path point)
+3.3V: J1.25 J1.26 J1.27 J1.28
"+3.3V(from CM4)": IC2.5 J6.84 J6.86 J7.1 J7.17 J7.45 J7.46 J7.50 LED2.2 LED3.2 | length 5.5
  Top Layer w0.2: LED3.2 93.98,4.826 ; LED2.2 93.98,4.826 ; IC2.5 96.603,4.763 96.54,4.826 93.98,4.826
+5V: B1.28 C1.1 D1.1 J1.13 J1.14 J1.15 J1.16 J1.17 J1.18 J5.1 J6.77 J6.79 J6.81 J6.83 J6.85 J6.87 J7.2 J7.4 J7.43 J7.44 LED1.2 R5.1 R6.1 R7.1 R8.1 R9.1 R10.1 RN4.5 RN4.6 | length 61.4
  Top Layer w0.2: 34.163,46.863 34.163,37.338 35.941,35.56
  Top Layer w0.6: 52.197,3.937 52.197,3.175 53.594,1.778 84.074,1.778 84.709,2.413 84.709,7.62 90.932,13.843 90.932,14.859 91.059,14.986
+12V: J1.1 J1.2 J1.3 J1.4 J1.5 J1.6
A0: B1.1 R10.2 RN4.7 | length 15.9
  Top Layer w0.254: B1.1 30.48,46.705 v1(30.48,50.482) R10.2
  Bottom Layer w0.254: v1(30.48,50.482) 30.601,50.482 30.771,50.311 RN4.7
A1: B1.2 R9.2 RN4.8 | length 20.2
  Top Layer w0.254: R9.2 28.6,46.457 28.956,46.101 30.42,46.101 B1.2
  Bottom Layer w0.254: v1(28.575,51.435) 28.696,51.435 29.02,51.111 RN4.8
A2: B1.3 R8.2 RN3.5 | length 25.2
  Top Layer w0.254: R8.2 26.721,45.923 27.246,45.398 B1.3
  Bottom Layer w0.254: v1(26.67,52.705) 28.518,54.553 RN3.5
A3: B1.4 R7.2 RN3.6 | length 29.6
  Top Layer w0.254: R7.2 24.841,45.136 25.229,44.748 B1.4
  Bottom Layer w0.254: v1(24.765,53.721) 26.397,55.353 RN3.6
A4: B1.5 R6.2 RN3.7 | length 33.8
  Top Layer w0.254: R6.2 22.962,44.475 23.241,44.196 30.375,44.196 B1.5
  Bottom Layer w0.254: v1(22.987,54.864) 24.276,56.153 RN3.7
A5: B1.24 R5.2 RN3.8 | length 39.7
  Top Layer w0.254: v1(21.082,56.515) R5.2 ; B1.24 v1(40.288,44.098)
  Bottom Layer w0.254: v1(21.082,56.515) 21.203,56.515 21.641,56.953 RN3.8 34.787,57.763 34.936,57.912 40.139,57.912 40.288,57.763 v1(40.288,44.098)
EXT1_VCC: J1.37 J1.38
EXT2_VCC: J1.39 J1.40
GND: B1.14 B1.25 C1.2 IC1.3 IC2.2 J1.7 J1.8 J1.9 J1.10 J1.11 J1.12 J1.19 J1.20 J1.21 J1.22 J1.23 J1.24 J1.29 J1.30 J1.31 J1.32 J1.35 J1.36 J3.03 J3.06 J3.09 J3.12 J3.15 J3.18 J3.21 J3.24 J4.5 J5.4 J6.1 J6.2 J6.7 J6.8 J6.13 J6.14 J6.22 J6.23 J6.32 J6.33 J6.42 J6.43 J6.52 J6.53 J6.59 J6.60 J6.65 J6.66 J6.71 J6.74 J6.98 J6.107 J6.108 J6.113 J6.114 J6.119 J6.120 J6.125 J6.126 J6.131 J6.132 J6.137 J6.138 J6.144 J6.150 J6.155 J6.156 J6.161 J6.162 J6.167 J6.168 J6.173 J6.174 J6.179 J6.180 J6.185 J6.186 J6.191 J6.192 J6.197 J6.198 J7.6 J7.9 J7.14 J7.20 J7.25 J7.30 J7.34 J7.39 J7.47 J7.48 R1.2 R2.2 RN3.1 RN3.2 RN3.3 RN3.4 RN4.3 RN4.4
GPIO0: J2.39 J6.36 J7.27 | length 57.6
  Top Layer w0.2: J7.27 33.528,24.394 33.645,24.511 81.383,24.511 81.5,24.394 J6.36
GPIO1: J2.37 J6.35 J7.28 | length 56.6
  Top Layer w0.2: J7.28 33.528,12.563 33.645,12.446 81.383,12.446 81.5,12.563 J6.35
GPIO2: J2.35 J6.58 J7.3 | length 99.4
  Top Layer w0.2: J7.3 3.051,27.823 3.168,27.94 85.783,27.94 85.9,27.823 J6.58
GPIO3: J2.33 J6.56 J7.5 | length 95.7
  Top Layer w0.2: J7.5 5.591,27.442 5.708,27.559 85.383,27.559 85.5,27.442 J6.56
GPIO4: B1.27 J6.54 J7.7 RN4.1 | length 154.4
  Top Layer w0.2: J7.7 8.128,19.688 8.128,27.061 8.245,27.178 84.983,27.178 85.1,27.061 J6.54 ; B1.27 38.174,46.048 v1(38.227,46.101)
  Bottom Layer w0.2: J7.7 6.985,19.685 6.731,19.431 6.731,14.859 6.687,14.815 6.687,14.649 7.62,13.716 13.97,13.716 14.478,14.224 14.478,20.193 38.227,43.942 v1(38.227,46.101) 38.227,48.514 38.1,48.641 36.657,48.641 RN4.1
GPIO5: B1.26 J6.34 J7.29 RN4.2 | length 116.4
  Top Layer w0.2: J7.29 36.068,24.013 36.185,24.13 80.983,24.13 81.1,24.013 J6.34 ; B1.26 39.175,45.398 v1(39.243,45.466)
  Bottom Layer w0.2: J7.29 34.798,18.415 34.798,14.986 34.173,14.361 24.628,14.361 24.511,14.478 24.511,24.384 39.243,39.116 v1(39.243,45.466) 39.243,49.394 39.126,49.511 RN4.2
GPIO6: J6.30 J7.31 | length 49.8
  Top Layer w0.2: J7.31 38.608,23.632 38.725,23.749 80.183,23.749 80.3,23.632 J6.30
GPIO7: J6.37 J7.26 | length 60.3
  Top Layer w0.2: J7.26 30.988,12.182 31.105,12.065 81.783,12.065 81.9,12.182 J6.37
GPIO8: J2.15 J6.39 J7.24 | length 129.4
  Top Layer w0.2: J7.24 28.448,11.801 28.565,11.684 82.183,11.684 82.3,11.801 J6.39
  Bottom Layer w0.2: J7.24 29.718,18.415 29.718,22.098 44.196,36.576 44.196,51.562 53.721,61.087 53.721,66.548 52.832,67.437 51.816,67.437 49.617,65.238 J2.15
GPIO9: J2.17 J6.40 J7.21 | length 123.8
  Top Layer w0.2: J7.21 25.908,25.156 26.025,25.273 82.183,25.273 82.3,25.156 J6.40
  Bottom Layer w0.2: J7.21 41.783,35.56 41.783,49.784 51.054,59.055 51.054,63.881 52.157,64.984 J2.17
GPIO10: J6.44 J7.19 | length 71.7
  Top Layer w0.2: J7.19 23.368,25.537 23.485,25.654 82.983,25.654 83.1,25.537 J6.44
GPIO11: J6.38 J7.23 | length 63.9
  Top Layer w0.2: J7.23 28.448,24.775 28.565,24.892 81.798,24.892 81.915,24.775 81.915,23.562 81.9,23.547 J6.38
GPIO12: J5.3 J6.31 J7.32 | length 49.9
  Top Layer w0.2: J7.32 38.608,12.944 38.725,12.827 80.583,12.827 80.7,12.944 J6.31
GPIO13: J5.2 J6.28 J7.33 | length 46.1
  Top Layer w0.2: J7.33 41.148,23.251 41.265,23.368 79.783,23.368 79.9,23.251 J6.28
GPIO14: J2.1 J6.55 J7.8 | length 161.4
  Top Layer w0.2: J7.8 8.128,17.142 8.128,9.906 8.636,9.398 85.383,9.398 85.5,9.515 J6.55
  Bottom Layer w0.2: J7.8 8.131,17.148 9.398,18.415 9.398,22.606 10.287,23.495 13.208,23.495 13.97,24.257 13.97,64.516 14.478,65.024 J2.1
GPIO15: J2.3 J6.51 J7.10 | length 157.3
  Top Layer w0.2: J7.10 10.668,17.142 10.668,9.896 10.785,9.779 84.583,9.779 84.7,9.896 J6.51
  Bottom Layer w0.2: J7.10 11.063,17.145 11.624,17.705 11.736,17.705 11.938,17.907 11.938,21.844 12.192,22.098 14.732,22.098 16.256,23.622 16.256,63.637 16.373,63.754 33.147,63.754 34.377,64.984 J2.3
GPIO16: J2.36 J6.29 J7.36 | length 43.7
  Top Layer w0.2: J7.36 43.688,13.325 43.805,13.208 80.183,13.208 80.3,13.325 J6.29
GPIO17: J6.50 J7.11 | length 85.3
  Top Layer w0.2: J7.11 13.211,26.68 13.328,26.797 84.183,26.797 84.3,26.68 J6.50
GPIO18: J6.49 J7.12 | length 84.2
  Top Layer w0.2: J7.12 13.208,17.142 13.208,10.277 13.325,10.16 84.183,10.16 84.3,10.277 J6.49
GPIO19: J6.26 J7.35 | length 42.4
  Top Layer w0.2: J7.35 43.688,22.87 43.805,22.987 79.383,22.987 79.5,22.87 J6.26
GPIO20: J6.27 J7.38 | length 40
  Top Layer w0.2: J7.38 46.228,17.142 46.228,13.706 46.345,13.589 79.783,13.589 79.9,13.706 J6.27
GPIO21: J6.25 J7.40 | length 36.3
  Top Layer w0.2: J7.40 48.765,14.087 48.882,13.97 79.383,13.97 79.5,14.087 J6.25
GPIO22: J6.46 J7.15 | length 77.9
  Top Layer w0.2: J7.15 18.288,25.918 18.405,26.035 83.383,26.035 83.5,25.918 J6.46
GPIO23: J6.47 J7.16 | length 78
  Top Layer w0.2: J7.16 18.288,10.658 18.405,10.541 83.783,10.541 83.9,10.658 J6.47
GPIO24: J6.45 J7.18 | length 74.3
  Top Layer w0.2: J7.18 20.828,11.039 20.945,10.922 83.383,10.922 83.5,11.039 J6.45
GPIO25: J6.41 J7.22 | length 67.6
  Top Layer w0.2: J7.22 25.908,11.43 26.025,11.313 82.583,11.313 82.7,11.43 J6.41
GPIO26: J6.24 J7.37 | length 38.7
  Top Layer w0.2: J7.37 46.228,19.688 46.228,22.489 46.345,22.606 78.983,22.606 79.1,22.489 J6.24
GPIO27: J6.48 J7.13 | length 81.6
  Top Layer w0.2: J7.13 15.748,26.299 15.865,26.416 83.783,26.416 83.9,26.299 J6.48
GPIO44: J6.82 J7.41 | length 48.7
  Top Layer w0.2: J7.41 52.438,18.552 52.959,18.031 52.959,14.468 53.076,14.351 72.273,14.351 72.39,14.468 72.39,17.282 72.507,17.399 90.583,17.399 90.7,17.516 J6.82
GPIO45: J6.80 J7.42 | length 51.8
  Top Layer w0.2: J7.42 51.298,17.145 50.038,18.405 50.038,22.108 50.155,22.225 72.273,22.225 72.39,22.108 72.39,17.907 72.517,17.78 90.183,17.78 90.3,17.897 J6.80
NetB1_23: B1.23 R1.1 | length 7
  Top Layer w0.2: B1.23 43.204,43.448 R1.1
NetD1_2: D1.2 J4.1 | length 0
  Top Layer w0.254: J4.1@89.916,63.019 J4.1
NetIC1_2: IC1.2 J4.2 | length 0
  Top Layer w0.254: J4.2@89.281,63.034 J4.2
NetIC1_5: IC1.5 J4.3
NetIC2_6: IC2.6 R4.1 | length 12.2
  Top Layer w0.254: R4.1@88.646,3.504 R4.1 88.646,1.8 88.795,1.651 96.518,1.651 96.667,1.8 IC2.6 96.516,3.876 IC2.6@96.393,3.753
NetJ3_01: J3.01 RN1.1 | length 8
  Top Layer w0.254: J3.01 13.843,48.133 16.816,48.133 RN1.1
NetJ3_04: J3.04 RN1.2 | length 7.2
  Top Layer w0.254: J3.04 11.811,47.625 RN1.2
NetJ3_07: J3.07 RN1.3 | length 6.8
  Top Layer w0.254: J3.07 13.462,46.609 13.978,47.125 RN1.3
NetJ3_10: J3.10 RN1.4 | length 7.6
  Top Layer w0.254: J3.10@10.293,44.075 J3.10 11.811,44.069 14.367,46.625 RN1.4
NetJ3_13: J3.13 RN2.1 | length 7.9
  Top Layer w0.254: J3.13 12.319,41.529 15.494,38.354 16.812,38.354 RN2.1
NetJ3_16: J3.16 RN2.2 | length 7
  Top Layer w0.254: J3.16 13.97,38.989 15.117,37.842 RN2.2
NetJ3_19: J3.19 RN2.3 | length 6.9
  Top Layer w0.254: J3.19 14.351,36.449 15.24,37.338 16.82,37.338 RN2.3
NetJ3_22: J3.22 RN2.4 | length 7.8
  Top Layer w0.254: J3.22 12.573,33.909 15.506,36.842 RN2.4
NetLED1_1: LED1.1 R2.1 | length 2.7
  Top Layer w0.254: R2.1 LED1.1
NetLED2_1: LED2.1 R3.2 | length 2.8
  Top Layer w0.254: 89.446,6.223 LED2.1
NetLED3_1: LED3.1 R4.2 | length 2.8
  Top Layer w0.254: 89.446,3.429 LED3.1 ; R4.2@90.208,3.467 R4.2
PI_LED_nPWR: IC2.1 J6.95 | length 18
  Top Layer w0.2: v1@93.472,15.113 v1(93.5,15.141) J6.95 ; IC2.1 101.153,3.876 v1(101.219,3.81)
  Bottom Layer w0.2: v1(93.5,15.141) 101.219,7.422 v1(101.219,3.81)
Pi_nLED_Activity: J6.21 R3.1 | length 15.3
  Top Layer w0.2: J6.21 78.7,15.153 v1(78.74,15.113) ; v1(86.995,6.223) R3.1
  Bottom Layer w0.2: v1(78.74,15.113) 78.755,15.098 78.755,14.463 v1(86.995,6.223)
PWM0: B1.6 RN1.8 | length 16.2
  Top Layer w0.254: RN1.8 21.122,48.125 21.311,47.936 21.311,44.9 22.755,43.456 B1.6@30.439,43.456
PWM1: B1.7 RN1.7 | length 16
  Top Layer w0.254: RN1.7 20.705,47.625 20.853,47.476 20.853,44.783 22.83,42.806 B1.7@30.439,42.806
PWM2: B1.8 RN1.6 | length 15.9
  Top Layer w0.254: RN1.6 20.298,47.125 20.447,46.976 20.447,44.614 22.905,42.156 B1.8@30.439,42.156
PWM3: B1.9 RN1.5 | length 15.8
  Top Layer w0.254: RN1.5 19.892,46.625 20.041,46.476 20.041,44.446 22.981,41.506 B1.9@30.439,41.506
PWM4: B1.10 RN2.8 | length 14.9
  Top Layer w0.254: RN2.8 25.254,38.342 25.266,38.354 25.266,40.707 25.415,40.856 B1.10@30.439,40.856
PWM5: B1.11 RN2.7 | length 14.7
  Top Layer w0.254: RN2.7 25.89,37.842 26.028,37.98 26.028,40.057 26.177,40.206 B1.11@30.439,40.206
PWM6: B1.12 RN2.6 | length 14.6
  Top Layer w0.254: RN2.6 26.731,37.342 26.79,37.401 26.79,39.407 26.939,39.556 B1.12@30.439,39.556
PWM7: B1.13 RN2.5 | length 14.5
  Top Layer w0.254: RN2.5 27.532,36.842 27.552,36.822 27.552,38.757 27.701,38.906 B1.13@30.439,38.906
SRV_8.4V: J1.33 J1.34 J3.02 J3.05 J3.08 J3.11 J3.14 J3.17 J3.20 J3.23
USB_N: IC1.1 J6.103
USB_OTG_ID: J6.101 J7.49 | length 26
  Top Layer w0.2: J7.49 71.371,45.971 74.7,49.3 J6.101
USB_P: IC1.4 J6.105
pads on no net: B1.15 B1.16 B1.17 B1.18 B1.19 B1.20 B1.21 B1.22 IC1.6 IC1.7 IC1.8 IC1.9 IC1.10 IC2.3 IC2.4 J2.2 J2.4 J2.5 J2.6 J2.7 J2.8 J2.9 J2.10 J2.11 J2.12 J2.13 J2.14 J2.16 J2.18 J2.19 J2.20 J2.21 J2.22 J2.23 J2.24 J2.25 J2.26 J2.27 J2.28 J2.29 J2.30 J2.31 J2.32 J2.34 J2.38 J2.40 J4.4 J4.6 J4.7 J4.8 J4.9 J4.10 J4.11 J6.3 J6.4 J6.5 J6.6 J6.9 J6.10 J6.11 J6.12 J6.15 J6.16 J6.17 J6.18 J6.19 J6.20 J6.57 J6.61 J6.62 J6.63 J6.64 J6.67 J6.68 J6.69 J6.70 J6.72 J6.73 J6.75 J6.76 J6.78 J6.88 J6.89 J6.90 J6.91 J6.92 J6.93 J6.94 J6.96 J6.97 J6.99 J6.100 J6.102 J6.104 J6.106 J6.109 J6.110 J6.111 J6.112 J6.115 J6.116 J6.117 J6.118 J6.121 J6.122 J6.123 J6.124 J6.127 J6.128 J6.129 J6.130 J6.133 J6.134 J6.135 J6.136 J6.139 J6.140 J6.141 J6.142 J6.143 J6.145 J6.146 J6.147 J6.148 J6.149 J6.151 J6.152 J6.153 J6.154 J6.157 J6.158 J6.159 J6.160 J6.163 J6.164 J6.165 J6.166 J6.169 J6.170 J6.171 J6.172 J6.175 J6.176 J6.177 J6.178 J6.181 J6.182 J6.183 J6.184 J6.187 J6.188 J6.189 J6.190 J6.193 J6.194 J6.195 J6.196 J6.199 J6.200

## Polygon pours and split planes (outlines as drawn)
"+3.3V(from CM4)" on Top Layer "+3.3V(FROM_CM4)_L01_P025" (solid, remove dead copper, pour order 25): 90.932,20.193 90.932,18.796 91.694,18.796 91.694,20.955 93.599,20.955 93.98,21.336 93.98,24.511 89.154,24.511 89.154,20.828
"+3.3V(from CM4)" on Top Layer "+3.3V(FROM_CM4)_L01_P027" (solid, remove dead copper, pour order 27): 93.091,7.239 93.091,2.286 94.996,2.286 94.996,4.445 97.409,4.445 97.536,4.318 97.663,4.445 97.663,5.207 95.504,5.207 95.25,5.461 95.25,8.382 95.504,8.382 101.6,14.478 101.6,23.749 93.091,23.749 92.583,23.241 92.583,21.336 99.949,21.336 100.203,21.082 96.647,17.526 96.647,12.065 93.345,12.065 92.329,11.049
+5V on Top Layer "+5V_L01_P024" (solid, remove dead copper, pour order 24): 89.789,17.018 89.789,13.97 91.948,13.97 92.075,14.097 92.075,17.145
+5V on Top Layer "+5V_L01_P020" (solid, remove dead copper, pour order 20): 19.939,60.706 19.939,59.182 31.877,59.182 33.147,57.912 33.147,47.117 33.655,46.609 37.338,46.609 37.338,60.579 37.592,60.833
"+3.3V(from CM4)" on Top Layer "+3.3V(FROM_CM4)_L01_P019" (solid, remove dead copper, pour order 19): 50.038,48.006 50.038,44.958 47.752,44.958 47.498,44.704 47.498,42.164 53.721,42.164 56.769,39.116 56.769,34.29 54.864,32.385 50.038,32.385 49.657,32.766 50.038,33.147 51.37,35.879 53.594,36.957 53.721,37.084 53.594,37.211 53.594,39.751 53.467,39.878 53.34,39.751 45.847,39.751 45.212,40.386 45.212,48.387
+5V on Top Layer "+5V_L01_P016" (solid, remove dead copper, pour order 16): 35.306,33.02 49.276,33.02 49.911,33.655 49.911,36.957 53.086,36.957 53.34,37.211 53.34,39.497 47.371,39.497 45.085,37.211 45.085,36.068 36.068,36.068 35.306,35.306
+12V on Top Layer "+12V_L01_P012" (solid, remove dead copper, pour order 12): 30.353,8.89 30.353,3.302 38.1,3.302 38.1,8.89
+5V on Top Layer "+5V_L01_P010" (solid, remove dead copper, pour order 10): 45.593,8.89 45.593,3.302 53.34,3.302 53.34,8.89
EXT2_VCC on Top Layer "EXT2_VCC_L01_P009" (solid, remove dead copper, pour order 9): 78.867,8.89 78.867,3.302 81.407,3.302 81.407,8.89
EXT1_VCC on Top Layer "EXT1_VCC_L01_P008" (solid, remove dead copper, pour order 8): 76.327,8.89 76.327,3.302 78.867,3.302 78.867,8.89
GND on Top Layer "GND_L01_P007" (solid, remove dead copper, pour order 7): 73.787,8.89 73.787,3.302 76.327,3.302 76.327,8.89
SRV_8.4V on Top Layer "SRV_8.4V_L01_P006" (solid, remove dead copper, pour order 6): 71.247,8.89 71.247,3.302 73.787,3.302 73.787,8.89
GND on Top Layer "GND_L01_P005" (solid, remove dead copper, pour order 5): 66.04,8.89 66.04,3.302 71.247,3.302 71.247,8.89
+3.3V on Top Layer "+3.3V_L01_P004" (solid, remove dead copper, pour order 4): 60.96,8.89 60.96,3.302 66.167,3.302 66.167,8.89

## Keep-outs
Keep-Out Layer:
  lines w0.254: 6,-0.006 cw(c6,6) -0.006,6 -0.006,63.94 cw(c6,63.94) 6,69.946 105.998,69.946 cw(c105.998,63.94) 112.004,63.94 112.004,6.009 ; 6.006,0 106.001,0 ccw(c106.001,6.006) 112.007,6.006

## Dimensions
112.001,0.006 to 111.998,69.94 on Top Layer

## Text inside footprints (layer, text, board x,y; h text height)
J6: Top Overlay "Raspberry Pi Compute Module 4" at 101.346,48.878 h1 r180; Top Overlay "CPU" at 78.846,39.211 h1 r180; Top Overlay "RAM" at 63.046,38.511 h1 r180; Top Overlay "PWR" at 103.761,43.567 h1 r180; Mechanical 4 "GPIO" at 82.625,18.465 h0.7 r180; Mechanical 4 "SD" at 88.991,18.565 h0.7 r180; Mechanical 4 "3V3" at 90.625,19.165 h0.7 r180; Mechanical 4 "1V8" at 93.225,19.165 h0.7 r180; Mechanical 4 "DS1" at 95.049,52.465 h0.7 r180; Mechanical 4 "DSI0" at 88.949,51.865 h0.7 r180; Mechanical 4 "5V" at 91.9,17.965 h0.7 r180; Mechanical 4 "CAM0" at 82.783,52.965 h0.7 r180; Mechanical 4 "HDMI0" at 92.375,52.965 h0.7 r180; Mechanical 4 "TV" at 79.249,51.965 h0.7 r180; Mechanical 4 "ETH" at 77.249,18.465 h0.7 r180; Mechanical 4 "HDMI1" at 87.958,53.065 h0.7 r180; Mechanical 4 "CAM1" at 82.749,51.865 h0.7 r180; Mechanical 4 "USB" at 77.866,51.865 h0.7 r180; Mechanical 4 "PCIe" at 78.949,52.965 h0.7 r180; Mechanical 4 "Wireless / Cutout" at 105.1,35.897 h0.9 r270